# KiCad board Ricardo-Stark.kicad_pcb
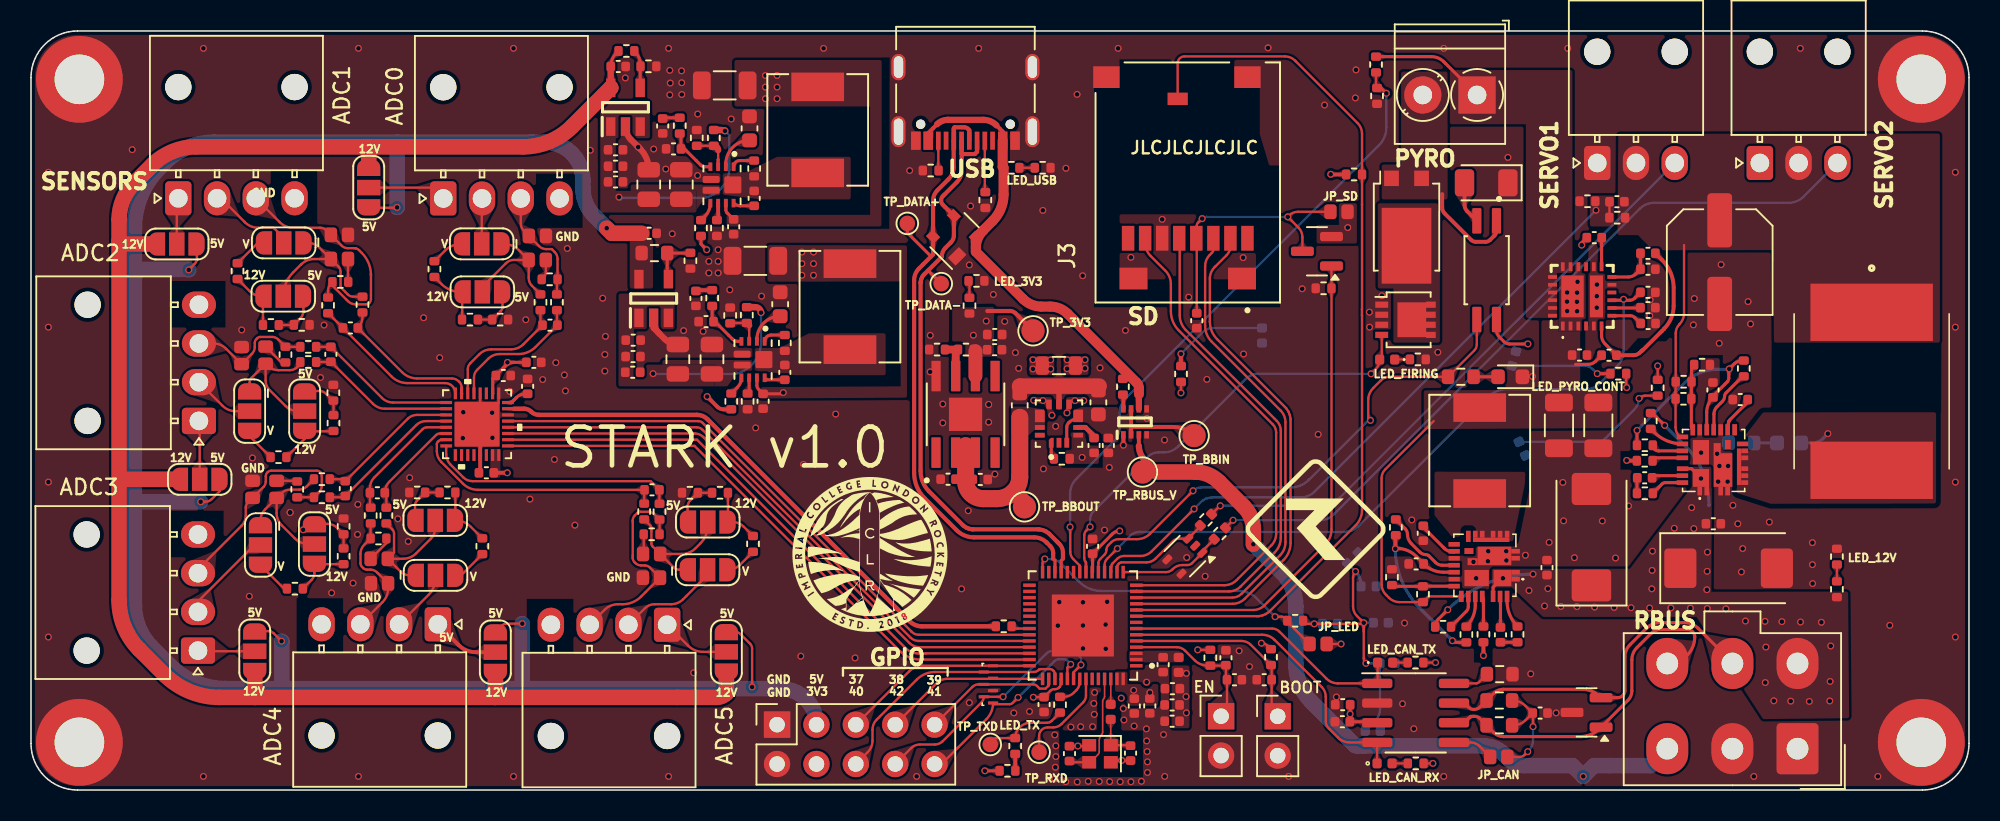
[diagram p0: board, top side]
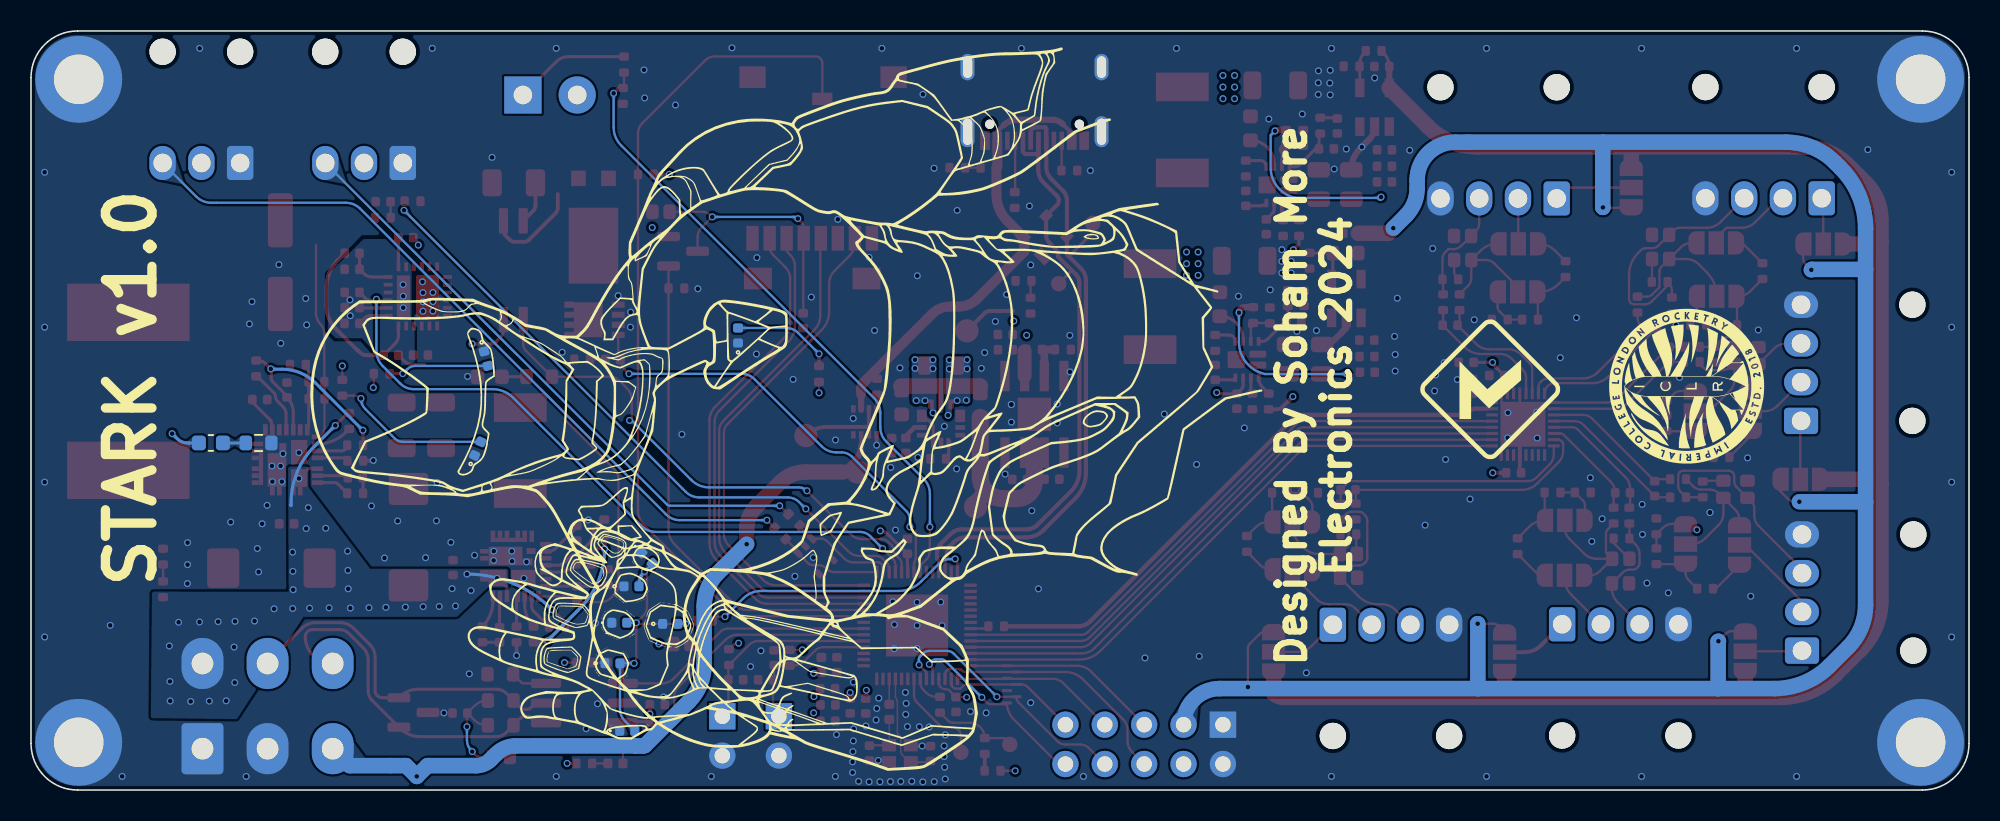
[diagram p1: board, bottom side, seen from below]

Outline 125 x 49 mm; copper layers: Top, In1.Cu (plane), In2.Cu (plane), Bottom. Coordinates in mm from the lower left corner of the outline.
Outline path: 0,46 0,3 arc(0.88,0.88) 3,0 122,0 arc(124.12,0.88) 125,3 125,46 arc(124.12,48.12) 122,49 3,49 arc(0.88,48.12) 0,46
Stack: Top 0.035mm / dielectric 0.1mm FR4 er 4.5 / In1.Cu 0.0175mm / dielectric 1.275mm FR4 er 4.5 / In2.Cu 0.0175mm / dielectric 0.1mm FR4 er 4.5 / Bottom 0.035mm

## Placement (name value [footprint] x y rotation side)
3V3LED1  BLUE_LED  [R_0402_1005Metric]  60.98 32.87 180 top
3V3LED2  BLUE_LED  [LED_0402_1005Metric]  96.18 22.04 115 bottom
3V3LED3  BLUE_LED  [LED_0402_1005Metric]  79.4 29.34 90 bottom
3V3LED4  BLUE_LED  [LED_0402_1005Metric]  87.06 10.8 180 bottom
3V3LED5  ORANGE_LED  [LED_0402_1005Metric]  85.26 14.97 225 bottom
3V3LED6  RED_LED  [LED_0402_1005Metric]  86.27 13.15 180 bottom
3V3LED7  YELLOW_LED  [LED_0402_1005Metric]  83.78 10.73 180 bottom
3V3LED8  BLUE_LED  [LED_0402_1005Metric]  95.65 27.85 255 bottom
3V3LED9  GREEN_LED  [LED_0402_1005Metric]  86.54 3.82 180 bottom
3V3LED10  PURPLE_LED  [LED_0402_1005Metric]  87.5 8.18 180 bottom
12VLED1  RED_LED  [R_0402_1005Metric]  116.48 15.07 270 top
BOOTJUMPER1  Conn_01x02_Male  [PinHeader_1x02_P2.54mm_Vertical]  80.41 4.76 0 top
C1  10uF  [C_0402_1005Metric]  73.6 4.44 180 top
C2  1uF  [C_0402_1005Metric]  77.07 8.54 90 top
C3  0.1uF  [C_0402_1005Metric]  77.62 7.12 0 top
C4  1uF  [C_0402_1005Metric]  73.6 5.49 180 top
C5  0.1uF  [C_0402_1005Metric]  73.62 6.54 180 top
C6  0.1uF  [C_0402_1005Metric]  73.02 8.09 270 top
C7  1uF  [C_0402_1005Metric]  72.16 5.43 270 top
C8  0.1uF  [C_0402_1005Metric]  79.54 7.12 180 top
C9  10nF  [C_0402_1005Metric]  71.16 5.42 270 top
C10  0.1uF  [C_0402_1005Metric]  68.47 15.73 90 top
C11  0.1uF  [C_0402_1005Metric]  65.34 5.52 270 top
C12  11pF  [C_0402_1005Metric]  66.98 2.35 90 top
C13  11pF  [C_0402_1005Metric]  70.92 2.38 270 top
C14  100nF  [C_0402_1005Metric]  84.61 5.51 180 top
C15  10uF  [C_0402_1005Metric]  84.59 4.41 180 top
C16  47nF  [C_0402_1005Metric]  97.34 4.97 0 top
C17  10uF  [C_0402_1005Metric]  69.49 22.24 270 top
C18  10uF  [C_0603_1608Metric]  68.84 25.02 90 top
C19  1uF  [C_0402_1005Metric]  68.57 22.24 270 top
C20  22uF  [C_0603_1608Metric]  63.77 24.83 90 top
C21  10uF  [C_0402_1005Metric]  59.15 20.06 180 top
C22  4.7uF  [C_0402_1005Metric]  61.23 20.05 0 top
C23  10uF  [C_0402_1005Metric]  62.15 28.42 180 top
C24  0.1uF  [C_0402_1005Metric]  62.16 29.4 180 top
C25  1uF  [C_0402_1005Metric]  108.49 25.83 270 top
C26  4.7uF  [C_0402_1005Metric]  110.25 25.21 0 top
C27  100uF  [CP_EIA-7343-40_Kemet-Y]  100.65 16.32 90 top
C28  100uF  [CP_EIA-7343-40_Kemet-Y]  109.49 14.32 0 top
C29  470uF  [CP_Elec_6.3x7.7]  108.92 34.08 270 top
C30  0.1uF  [C_0402_1005Metric]  75.19 30.3 270 top
C33  10nF  [C_0402_1005Metric]  20.6 29.83 180 top
C34  100nF  [C_0402_1005Metric]  108.51 17.19 0 top
C35  0.1uF  [C_0402_1005Metric]  104.08 20.16 180 top
C36  0.1uF  [C_0402_1005Metric]  102.29 37.98 180 top
C37  1uF  [C_0402_1005Metric]  29.37 20.48 180 top
C38  10nF  [C_0402_1005Metric]  33.47 30.01 0 top
C39  22uF  [C_0805_2012Metric]  39.84 39.09 90 top
C40  47uF  [C_1206_3216Metric]  101.09 23.54 270 top
C41  10nF  [C_0402_1005Metric]  20.27 19.46 270 top
C42  10nF  [C_0402_1005Metric]  19.34 28.13 90 top
C43  10nF  [C_0402_1005Metric]  40.05 19.38 0 top
C44  10nF  [C_0402_1005Metric]  22.34 19.19 180 top
C45  4.7nF  [C_0402_1005Metric]  104.3 30.12 180 top
C46  10nF  [C_0402_1005Metric]  99.88 28.08 180 top
C48  2.2uF  [C_0603_1608Metric]  48.32 31.36 90 top
C49  180pF  [C_0402_1005Metric]  43.54 30.24 180 top
C50  3.9nF  [C_0402_1005Metric]  42.89 31.74 270 top
C51  1uF  [C_0402_1005Metric]  38.81 26.97 0 top
C52  22uF  [C_0805_2012Metric]  43.92 27.81 90 top
C53  22uF  [C_0805_2012Metric]  41.72 27.81 90 top
C54  100nF  [C_0402_1005Metric]  48.62 26.96 90 top
C55  2.2uF  [C_0402_1005Metric]  39.87 35.94 0 top
C56  100nF  [C_0402_1005Metric]  47.22 25.1 270 top
C57  47uF  [C_1206_3216Metric]  46.72 34.16 180 top
C58  10uF  [C_0402_1005Metric]  38.84 29.04 0 top
C59  100nF  [C_0402_1005Metric]  38.83 27.98 0 top
C60  1uF  [C_0402_1005Metric]  37.7 39.26 0 top
C61  10uF  [C_0603_1608Metric]  46.34 42.71 90 top
C62  120pF  [C_0402_1005Metric]  41.44 41.39 180 top
C63  2.2nF  [C_0402_1005Metric]  40.74 42.87 270 top
C64  22uF  [C_0805_2012Metric]  41.94 39.09 90 top
C65  2.2uF  [C_0402_1005Metric]  37.87 46.71 0 top
C66  100nF  [C_0402_1005Metric]  46.64 38.19 90 top
C67  100nF  [C_0402_1005Metric]  45.32 36.36 270 top
C68  10uF  [C_0402_1005Metric]  37.7 41.33 0 top
C69  100nF  [C_0402_1005Metric]  37.7 40.27 0 top
C70  22uF  [C_1206_3216Metric]  44.74 45.49 180 top
C73  1uF  [C_0402_1005Metric]  89.34 14.6 0 top
C74  4.7uF  [C_0402_1005Metric]  89.8 16.58 90 top
C75  47uF  [C_1206_3216Metric]  98.55 23.54 270 top
C76  0.1uF  [C_0402_1005Metric]  94.78 10.02 270 top
C78  680pF  [C_0603_1608Metric]  113.4 22.41 180 bottom
C81  220nF  [C_0402_1005Metric]  32.03 26.06 90 top
C82  1uF  [C_0402_1005Metric]  32.43 27.61 0 top
C83  100nF  [C_0402_1005Metric]  97.78 14.36 90 top
C84  0.1uF  [C_0402_1005Metric]  30.46 26.76 0 top
CANRXLED1  CANRXLED  [LED_0402_1005Metric]  87.31 1.72 0 top
CANTXLED1  CANTXLED  [LED_0402_1005Metric]  87.34 8.23 0 top
D1  SM712_SOT23  [SOT-23]  100.33 5.01 180 top
D2  SP0503BAHT  [SOT-143]  59.56 35.69 135 top
D3  DST1550S  [TO-277B]  88.72 36.34 0 top
D4  RED_LED  [LED_0603_1608Metric]  95.41 26.68 180 top
D5  ~  [SOT-353_SC-70-5]  74.42 15.1 225 top
D6  954-S-102T  [D_1206_3216Metric]  93.86 39.2 180 top
D7  -  [RCLAMP3346PQTNT]  61.75 6.82 90 top
ENJUMPER1  Conn_01x02_Male  [PinHeader_1x02_P2.54mm_Vertical]  76.76 4.76 0 top
Firing1  EMERALD_LED  [LED_0402_1005Metric]  87.47 27.79 180 top
G***  -  [LOGO]  82.86 16.84 0 top
G***#2  LOGO  [iclr_logo_estd2018_10mm]  54.11 15.21 0 top
G***#3  -  [LOGO]  30.88 25.87 90 bottom
G***#4  LOGO  [iclr_logo_estd2018_10mm]  18.21 26.07 90 bottom
G***#5  -  [LOGO]  77.4 25.82 90 bottom
H1  MountingHole_Pad  [MountingHole_3.2mm_M3_DIN965_Pad]  3.12 45.88 0 top
H2  MountingHole_Pad  [MountingHole_3.2mm_M3_DIN965_Pad]  121.92 45.88 0 top
H3  MountingHole_Pad  [MountingHole_3.2mm_M3_DIN965_Pad]  3.12 3.08 0 top
H4  MountingHole_Pad  [MountingHole_3.2mm_M3_DIN965_Pad]  121.92 3.08 0 top
IC1  TPS61089RNRR  [IC_TPS61089RNRR]  46.57 27.79 270 top
IC2  AP2205-W5-7  [SOT95P282X145-5N]  40.16 31.73 90 top
IC3  AP2205-W5-7  [SOT95P282X145-5N]  38.34 44.08 90 top
IC4  TPS61089RNRR  [IC_TPS61089RNRR]  44.57 39.06 270 top
IC5  -  [TPS259830ONRGER]  100.05 31.87 90 top
J1  RBUS  [Molex_Mini-Fit_Jr_5566-06A_2x03_P4.20mm_Vertical]  113.94 2.67 180 top
J2  USB_C_Receptacle_USB2.0  [USB_C_Receptacle_Palconn_UTC16-G]  60.27 44.43 180 top
J3  ST1W008S4TR2000  [JAE_ST1W008S4TR2000]  74.61 39.37 90 top
J5  GPIO Breakout  [PinSocket_2x05_P2.54mm_Vertical]  48.12 4.22 90 top
J6  1053131104  [Molex_Nano-Fit_105313-xx04_1x04_P2.50mm_Horizontal]  26.59 38.19 90 top
J7  1053131104  [Molex_Nano-Fit_105313-xx04_1x04_P2.50mm_Horizontal]  9.5 38.2 90 top
J8  1053131104  [Molex_Nano-Fit_105313-xx04_1x04_P2.50mm_Horizontal]  10.83 23.83 180 top
J9  1053131104  [Molex_Nano-Fit_105313-xx04_1x04_P2.50mm_Horizontal]  10.77 9 180 top
J10  1053131104  [Molex_Nano-Fit_105313-xx04_1x04_P2.50mm_Horizontal]  26.24 10.7 270 top
J11  1053131104  [Molex_Nano-Fit_105313-xx04_1x04_P2.50mm_Horizontal]  41.03 10.67 270 top
J12  Conn_01x02_Male  [TerminalBlock_Phoenix_PT-1,5-2-3.5-H_1x02_P3.50mm_Horizontal]  93.27 44.87 180 top
J14  ServoCH1  [Molex_Nano-Fit_105313-xx03_1x03_P2.50mm_Horizontal]  101.02 40.48 90 top
J15  ServoCH2  [Molex_Nano-Fit_105313-xx03_1x03_P2.50mm_Horizontal]  111.51 40.48 90 top
JP1  TermJP  [SmallerSolderJP]  94.94 2.14 0 top
JP2  SolderJumper_2_Open  [SmallerSolderJP]  83.29 9.43 0 top
JP4  SolderJumper_2_Open  [SmallerSolderJP]  19.62 34.28 180 top
JP5  SolderJumper_3_Open  [SolderJumper-3_P1.3mm_Open_RoundedPad1.0x1.5mm_NumberLabels]  16.3 35.32 180 top
JP6  SolderJumper_3_Open  [SolderJumper-3_P1.3mm_Open_RoundedPad1.0x1.5mm_NumberLabels]  29.11 32.16 180 top
JP7  SolderJumper_3_Open  [SolderJumper-3_P1.3mm_Open_RoundedPad1.0x1.5mm_NumberLabels]  29.07 35.26 180 top
JP8  SolderJumper_2_Open  [SmallerSolderJP]  19.62 35.84 180 top
JP9  SolderJumper_2_Open  [SmallerSolderJP]  32.38 34.22 180 top
JP10  SolderJumper_3_Open  [SolderJumper-3_P1.3mm_Open_RoundedPad1.0x1.5mm_NumberLabels]  9.4 35.25 180 top
JP11  SolderJumper_2_Open  [SmallerSolderJP]  32.39 35.77 180 top
JP12  SolderJumper_3_Open  [SolderJumper-3_P1.3mm_Open_RoundedPad1.0x1.5mm_NumberLabels]  21.78 38.89 90 top
JP13  SolderJumper_3_Open  [SolderJumper-3_P1.3mm_Open_RoundedPad1.0x1.5mm_NumberLabels]  18.28 15.88 270 top
JP14  SolderJumper_3_Open  [SolderJumper-3_P1.3mm_Open_RoundedPad1.0x1.5mm_NumberLabels]  14.8 15.82 270 top
JP15  SolderJumper_2_Open  [SmallerSolderJP]  15.84 19.14 270 top
JP16  SolderJumper_2_Open  [SmallerSolderJP]  14.29 19.14 270 top
JP17  SolderJumper_3_Open  [SolderJumper-3_P1.3mm_Open_RoundedPad1.0x1.5mm_NumberLabels]  10.88 20.06 180 top
JP18  SolderJumper_3_Open  [SolderJumper-3_P1.3mm_Open_RoundedPad1.0x1.5mm_NumberLabels]  17.65 24.46 270 top
JP19  SolderJumper_3_Open  [SolderJumper-3_P1.3mm_Open_RoundedPad1.0x1.5mm_NumberLabels]  14.1 24.46 270 top
JP20  SolderJumper_3_Open  [SolderJumper-3_P1.3mm_Open_RoundedPad1.0x1.5mm_NumberLabels]  16.27 31.88 180 top
JP21  SolderJumper_2_Open  [SmallerSolderJP]  15.13 27.8 270 top
JP22  SolderJumper_2_Open  [SmallerSolderJP]  13.58 27.77 270 top
JP23  SolderJumper_3_Open  [SolderJumper-3_P1.3mm_Open_RoundedPad1.0x1.5mm_NumberLabels]  14.43 8.96 270 top
JP24  SolderJumper_3_Open  [SolderJumper-3_P1.3mm_Open_RoundedPad1.0x1.5mm_NumberLabels]  43.65 17.3 0 top
JP25  SolderJumper_3_Open  [SolderJumper-3_P1.3mm_Open_RoundedPad1.0x1.5mm_NumberLabels]  43.64 14.22 0 top
JP26  SolderJumper_2_Open  [SmallerSolderJP]  40.3 15.24 0 top
JP27  SolderJumper_2_Open  [SmallerSolderJP]  40.29 13.71 0 top
JP28  SolderJumper_3_Open  [SolderJumper-3_P1.3mm_Open_RoundedPad1.0x1.5mm_NumberLabels]  29.95 8.9 270 top
JP29  SolderJumper_3_Open  [SolderJumper-3_P1.3mm_Open_RoundedPad1.0x1.5mm_NumberLabels]  26.07 17.41 0 top
JP30  SolderJumper_3_Open  [SolderJumper-3_P1.3mm_Open_RoundedPad1.0x1.5mm_NumberLabels]  26.09 13.86 0 top
JP31  SolderJumper_2_Open  [SmallerSolderJP]  22.73 14.93 0 top
JP32  SolderJumper_2_Open  [SmallerSolderJP]  22.75 13.34 0 top
JP33  SolderJumper_3_Open  [SolderJumper-3_P1.3mm_Open_RoundedPad1.0x1.5mm_NumberLabels]  44.85 8.92 270 top
JP34  SolderJumper_2_Open  [SmallerSolderJP]  84.09 37.33 180 top
L1  2.0nH  [L_0402_1005Metric]  74.02 8.08 90 top
L2  20nH  [L_0402_1005Metric]  69.64 5.05 270 top
L3  1uH  [L_0805_2012Metric]  66.3 27.4 180 top
L4  3.3uH  [ETQP5M6M_YLC]  118.72 25.74 270 top
L5  SRR6038-5R0Y  [IND_SRP6540-390M]  52.82 31.2 270 top
L6  SRR6038-5R0Y  [IND_SRP6540-390M]  50.74 42.61 270 top
L7  3.3uH  [IND_SRP6540-390M]  93.44 21.91 270 top
Q2  BUK9M11-40EX  [LFPAK33]  88.66 30.36 0 top
Q3  DMP3099  [SOT-23#2]  82.94 34.78 180 top
R1  10K  [R_0402_1005Metric]  76.07 8.54 270 top
R2  1k  [R_0402_1005Metric]  89.3 8.23 180 top
R3  1k  [R_0402_1005Metric]  89.32 1.72 180 top
R4  470  [R_0402_1005Metric]  62.98 1.24 0 top
R5  10K  [R_0402_1005Metric]  79.98 8.58 270 top
R6  470  [R_0402_1005Metric]  60.53 31.27 270 top
R7  499R  [R_0402_1005Metric]  66.37 5.51 90 top
R8  3k  [R_0402_1005Metric]  116.48 12.96 90 top
R9  10K  [R_0402_1005Metric]  45.17 25.09 270 top
R10  10K  [R_0402_1005Metric]  43.21 36.28 270 top
R11  470  [R_0402_1005Metric]  104.92 25.97 90 top
R12  470  [R_0402_1005Metric]  74.18 26.86 270 top
R13  470  [R_0402_1005Metric]  81.54 10.93 180 top
R15  0  [R_0603_1608Metric]  94.73 7.48 0 top
R16  60  [R_0603_1608Metric]  94.71 5.78 0 top
R17  60  [R_0603_1608Metric]  94.71 4.18 180 top
R18  5.1k  [R_0402_1005Metric]  61.55 38.09 270 top
R19  5.1k  [R_0402_1005Metric]  58.03 39.99 0 top
R20  5.1k  [R_0402_1005Metric]  63.24 40.17 0 top
R21  10k  [R_0402_1005Metric]  70.43 26.03 270 top
R22  14k  [R_0402_1005Metric]  66.49 21.38 0 top
R23  56k  [R_0402_1005Metric]  60.3 28.43 180 top
R24  10k  [R_0402_1005Metric]  58.44 28.43 180 top
R25  10k  [R_0402_1005Metric]  110.48 27.22 270 top
R26  130k  [R_0402_1005Metric]  106.58 25.26 180 top
R27  10k  [R_0402_1005Metric]  107.78 27.46 180 top
R28  2.2  [R_0402_1005Metric]  104.09 19.16 180 top
R29  294k  [R_0402_1005Metric]  106.59 26.36 180 top
R30  10k  [R_0402_1005Metric]  85.34 39.74 180 top
R31  200k  [R_0402_1005Metric]  104.09 22.26 180 top
R32  100k  [R_0402_1005Metric]  104.08 21.26 180 top
R33  10k  [R_0402_1005Metric]  104.47 23.83 90 top
R34  1.5k  [R_0402_1005Metric]  102.31 36.95 0 top
R35  470  [R_0402_1005Metric]  100.39 38.01 0 top
R36  75k  [R_0402_1005Metric]  26.02 33.63 270 top
R37  14k  [R_0402_1005Metric]  28.31 30.37 0 top
R38  10k  [R_0402_1005Metric]  30.26 30.37 0 top
R39  1k  [R_0402_1005Metric]  32.86 31.49 90 top
R40  1k  [R_0402_1005Metric]  33.92 31.49 90 top
R41  49  [R_0402_1005Metric]  33.45 32.97 180 top
R42  30k  [R_0402_1005Metric]  86.75 46.83 270 top
R43  10k  [R_0402_1005Metric]  86.82 44.81 90 top
R44  470  [R_0402_1005Metric]  102.38 26.88 0 top
R45  75k  [R_0402_1005Metric]  17.02 13 0 top
R46  1k  [R_0402_1005Metric]  21.38 31.34 90 top
R47  1k  [R_0402_1005Metric]  19.16 31.29 90 top
R48  14k  [R_0402_1005Metric]  20.16 15.09 90 top
R49  49  [R_0402_1005Metric]  19.95 32.8 0 top
R50  10k  [R_0402_1005Metric]  20.16 17.02 90 top
R51  1k  [R_0402_1005Metric]  18.76 20.07 180 top
R52  1k  [R_0402_1005Metric]  18.76 18.9 180 top
R53  49  [R_0402_1005Metric]  17.17 19.41 90 top
R54  75k  [R_0402_1005Metric]  15.96 21.49 0 top
R55  14k  [R_0402_1005Metric]  19.51 23.69 90 top
R56  10k  [R_0402_1005Metric]  19.5 25.65 90 top
R57  1k  [R_0402_1005Metric]  17.88 27.63 180 top
R58  1k  [R_0402_1005Metric]  17.88 28.61 180 top
R59  49  [R_0402_1005Metric]  16.41 28.11 270 top
R60  7.87k  [R_0402_1005Metric]  43.94 31.76 90 top
R61  360k  [R_0402_1005Metric]  46.17 30.66 90 top
R62  100k  [R_0402_1005Metric]  45.1 30.64 270 top
R63  560k  [R_0402_1005Metric]  46.22 25.09 90 top
R64  49.9k  [R_0402_1005Metric]  42.53 34.17 90 top
R65  150k  [R_0603_1608Metric]  40.21 34.66 180 top
R66  301k  [R_0402_1005Metric]  48.62 28.86 270 top
R67  18.7k  [R_0402_1005Metric]  41.84 42.89 90 top
R68  976k  [R_0402_1005Metric]  44.04 42.1 90 top
R69  100k  [R_0402_1005Metric]  42.94 42.1 270 top
R70  51k  [R_0402_1005Metric]  39.82 46.72 180 top
R71  1k  [R_0402_1005Metric]  83.37 32.39 0 top
R72  475k  [R_0402_1005Metric]  44.24 36.28 90 top
R73  287k  [R_0402_1005Metric]  46.64 40.12 270 top
R74  75k  [R_0402_1005Metric]  13.32 33.5 270 top
R75  14k  [R_0402_1005Metric]  15.47 30.02 0 top
R76  10k  [R_0402_1005Metric]  17.46 30.03 0 top
R77  120  [R_0402_1005Metric]  89.45 27.8 0 top
R78  75k  [R_0402_1005Metric]  46.57 15.89 90 top
R79  120  [R_0603_1608Metric]  92.22 26.68 0 top
R81  10k  [R_0402_1005Metric]  88.03 16.96 90 top
R82  190k  [R_0402_1005Metric]  89.78 12.64 270 top
R83  10k  [R_0402_1005Metric]  87.78 13.74 270 top
R84  2.2  [R_0402_1005Metric]  95.88 10.05 270 top
R86  200k  [R_0402_1005Metric]  92.58 10.04 270 top
R87  100k  [R_0402_1005Metric]  93.68 10.05 270 top
R88  10k  [R_0402_1005Metric]  91.08 10.54 180 top
R90  5.1  [R_0603_1608Metric]  110.32 22.41 180 bottom
R91  54.9R  [R_0402_1005Metric]  62.74 10.57 0 top
R92  14k  [R_0402_1005Metric]  44.44 19.19 180 top
R95  10k  [R_0402_1005Metric]  42.5 19.19 180 top
R96  1k  [R_0402_1005Metric]  39.55 17.98 270 top
R97  1k  [R_0402_1005Metric]  40.54 17.97 270 top
R98  49  [R_0402_1005Metric]  40.03 16.51 180 top
R99  75k  [R_0402_1005Metric]  29.11 15.74 90 top
R100  14k  [R_0402_1005Metric]  26.86 19.21 180 top
R101  10k  [R_0402_1005Metric]  24.91 19.21 180 top
R102  1k  [R_0402_1005Metric]  22.92 17.72 270 top
R103  1k  [R_0402_1005Metric]  21.91 17.72 270 top
R104  49  [R_0402_1005Metric]  22.41 16.24 0 top
R105  TBD  [R_0402_1005Metric]  75.78 17.44 45 top
R106  TBD  [R_0402_1005Metric]  76.68 16.56 45 top
R107  360k  [R_0402_1005Metric]  38.4 47.71 180 top
R108  1M  [C_0402_1005Metric]  101.78 28.07 0 top
R109  732k  [C_0402_1005Metric]  104.29 34.65 180 top
R110  73.2k  [C_0402_1005Metric]  104.29 33.62 0 top
R111  300  [C_0402_1005Metric]  104.29 31.14 0 top
R112  681  [C_0402_1005Metric]  104.29 32.13 0 top
R113  100k  [C_0402_1005Metric]  100.83 35.66 0 top
TP1  TestPoint  [TestPoint_Pad_D1.0mm]  61.87 2.94 0 top
TP2  TestPoint  [TestPoint_Pad_D1.0mm]  65.02 2.44 0 top
TP3  TestPoint  [TestPoint_Pad_D1.0mm]  58.71 32.69 0 top
TP4  TestPoint  [TestPoint_Pad_D1.0mm]  56.52 36.58 0 top
TP5  TestPoint  [TestPoint_Pad_D1.5mm]  75.02 22.88 180 top
TP6  TestPoint  [TestPoint_Pad_D1.5mm]  71.69 20.53 270 top
TP7  TestPoint  [TestPoint_Pad_D1.5mm]  64.63 29.64 270 top
TP8  TestPoint  [TestPoint_Pad_D1.5mm]  64.08 18.28 180 top
TXLED1  GREEN_LED  [R_0402_1005Metric]  63.48 2.84 270 top
U1  ESP32-S3  [QFN40P700X700X90-57N]  67.85 10.62 180 top
U2  SN65HVD230  [SOIC-8_3.9x4.9mm_P1.27mm]  89.31 4.98 0 top
U3  LM66200DRLR  [SOTFL50P160X60-8N]  71.21 23.77 90 top
U4  MAX77827AEFD+T  [CONV_MAX77827AEFD+T]  66.31 23.65 90 top
U5  SC4215  [SOIC127P599X175-9N]  60.28 24.25 90 top
U6  SiC437BED-T1-GE3  [SiC437BEDT1GE3]  108.53 21.27 90 top
U7  ADS131M06IPBS  [ADS131M06IRSNR]  28.77 23.61 0 top
U9  782-TCMT1109  [SOIC127P700X230-4N]  93.89 33.56 270 top
U10  SiC437BED-T1-GE3  [SiC437BEDT1GE3]  93.78 14.5 180 top
USBLED1  WHITE_LED  [R_0402_1005Metric]  65.25 40.17 180 top
Y1  R940000171  [Crystal_SMD_2016-4Pin_2.0x1.6mm]  68.95 2.34 180 top

## Library data of the parts
3V3LED1-3V3LED10 12VLED1 CANRXLED1 CANTXLED1 D4 Firing1 TXLED1 USBLED1 = -: ki_fp_filters: LED* LED_SMD:* LED_THT:*
BOOTJUMPER1 ENJUMPER1 J1 J12 J14 J15 = -: ki_fp_filters: Connector*:*_1x??_*
C1-C26 C30 C33-C44 C48-C70 C73-C76 C78 C81-C84 = -: ki_fp_filters: C_*
C27 C28 = -: ki_fp_filters: CP_*
C29 = -: Description: Polarized capacitor; ki_fp_filters: CP_*
C45 C46 = -: Description: Unpolarized capacitor, small symbol; ki_fp_filters: C_*
D1 = -: Datasheet: https://www.littelfuse.com/~/media/electronics/datasheets/tvs_diode_arrays/littelfuse_tvs_diode_array_sm712_datasheet.pdf.pdf; ki_fp_filters: SOT?23*
D2 = -: Datasheet: http://www.littelfuse.com/~/media/files/littelfuse/technical%20resources/documents/data%20sheets/sp05xxba.pdf; ki_fp_filters: SOT?143*
D3 = -: ki_fp_filters: TO-???* *_Diode_* *SingleDiode* D_*
D5 = -: Datasheet: https://www.mouser.co.uk/datasheet/2/80/CPDV5_3V3UP_HF_RevB181493-2505215.pdf; Description: 2 channel double backed zener TVS diode
D6 = -: Datasheet: https://www.mouser.co.uk/datasheet/2/362/P22-23-CRD-1729293.pdf; Description: Diode; Sim.Device: D; Sim.Pins: 1=K 2=A; ki_fp_filters: TO-???* *_Diode_* *SingleDiode* D_*
D7 = -: Description: ESD Suppressors / TVS Diodes 6Line ESD protection automotive grade; Height: 0.53; Mouser Part Number: 947-RCLAMP3346PQTNT; Mouser Price/Stock: https://www.mouser.co.uk/ProductDetail/Semtech/RCLAMP3346PQTNT?qs=gTYE2QTfZfTlZML4DB76Nw%3D%3D; Manufacturer_Name: SEMTECH
H1-H4 = -: ki_fp_filters: MountingHole*Pad*
IC1 IC4 = -: Datasheet: http://www.ti.com/lit/gpn/tps61089; Description: 12.6-V, 7-A Fully-Integrated Synchronous Boost Converters in 2.0-mm x 2.5-mm VQFN Package; Arrow Price/Stock: https://www.arrow.com/en/products/tps61089rnrr/texas-instruments?region=nac; Manufacturer_Name: Texas Instruments; Mouser Part Number: 595-TPS61089RNRR; Mouser Price/Stock: https://www.mouser.co.uk/ProductDetail/Texas-Instruments/TPS61089RNRR?qs=G55MHhPmvtI%2Ft%2FkJeUeP3Q%3D%3D
IC2 IC3 = -: Datasheet: https://datasheet.datasheetarchive.com/originals/distributors/Datasheets_SAMA/49896ab3db029f5df263d3a8b036e85b.pdf; Height: 1.45; Manufacturer_Name: Diodes Inc.; Mouser Part Number: 621-AP2205-W5-7; Mouser Price/Stock: https://www.mouser.co.uk/ProductDetail/Diodes-Incorporated/AP2205-W5-7?qs=EBDBlbfErPxiadLvD5FZyQ%3D%3D
IC5 = -: Datasheet: https://www.ti.com/lit/ds/symlink/tps25983.pdf?ts=1718898017601&ref_url=https%253A%252F%252Fwww.ti.com%252Fpower-management%252Fpower-switches%252Fefuse-hotswap-controllers%252Fproducts.html; Description: Hot Swap Voltage Controllers 2.7-V to 26-V, 2.7-mohm 18-A integrated hot-swap eFuse with current monitor and blocking FET driver 24-VQFN -40 to 125; Height: 1; Manufacturer_Name: Texas Instruments; Mouser Part Number: 595-TPS259830ONRGER; Mouser Price/Stock: https://www.mouser.co.uk/ProductDetail/Texas-Instruments/TPS259830ONRGER?qs=ST9lo4GX8V2yYPVZTyti6w%3D%3D
J2 = -: Datasheet: https://www.usb.org/sites/default/files/documents/usb_type-c.zip; ki_fp_filters: USB*C*Receptacle*
J3 = -: Datasheet: https://www.mouser.co.uk/datasheet/2/206/JAEIS04167_1-2550269.pdf; MF: JAE Electronics; MAXIMUM_PACKAGE_HEIGHT: 1.5 mm; Package: None; Price: None; Check_prices: https://www.snapeda.com/parts/ST1W008S4TR2000/JAE+Electronics/view-part/?ref=eda; STANDARD: Manufacturer Recommendations; PARTREV: 1; SnapEDA_Link: https://www.snapeda.com/parts/ST1W008S4TR2000/JAE+Electronics/view-part/?ref=snap; Purchase-URL: https://www.snapeda.com/api/url_track_click_mouser/?unipart_id=501060&manufacturer=JAE Electronics&part_name=ST1W008S4TR2000&search_term=st1w008s4tr2000; Description_1: microSD memory card connector, 8 contacts, hinge type, soldering (SMT) | JAE Electronics Inc. ST1W008S4TR2000; Availability: In Stock; MANUFACTURER: JAE Electronics
J5 = -: Description: Generic connector, single row, 01x10, script generated; ki_fp_filters: Connector*:*_1x??_*
J6-J11 = -: ki_fp_filters: CON_1053131104
JP1 JP2 JP4-JP34 = -: ki_fp_filters: SolderJumper*Open*
L1-L3 = -: ki_fp_filters: Choke_* *Coil* Inductor_* L_*
L4 L7 = -: Datasheet: (layer "F.Cu"); ki_fp_filters: Choke_* *Coil* Inductor_* L_*
L5 L6 = -: Datasheet: http://www.bourns.com/docs/Product-Datasheets/SRR6038.pdf; Description: BOURNS - SRR6038-5R0Y - INDUCTOR, SHIELDED, 5UH, 2.95A, SMD, FULL REEL; Arrow Price/Stock: https://www.arrow.com/en/products/srr6038-5r0y/bourns?region=nac; Manufacturer_Name: Bourns; Mouser Part Number: 652-SRR6038-5R0Y; Mouser Price/Stock: https://www.mouser.co.uk/ProductDetail/Bourns/SRR6038-5R0Y?qs=s%252BX%2FYkvGCpEfKc4OEBpucw%3D%3D